# Altium PCB PCB_v3.PcbDoc (part 1 of 7)
Units mil, origin at the board's own origin, x right, y up, seen from the top; angles counter-clockwise.
Board outline 17000 x 5250 mil, 4 copper layers (Top Side, Ground Layer, Power Layer, Bottom Side), stack 33.2 mil thick; 591 components, 525 nets, 2570 pads, 902 vias.
Unrouted connection lines stored in the file: 119.
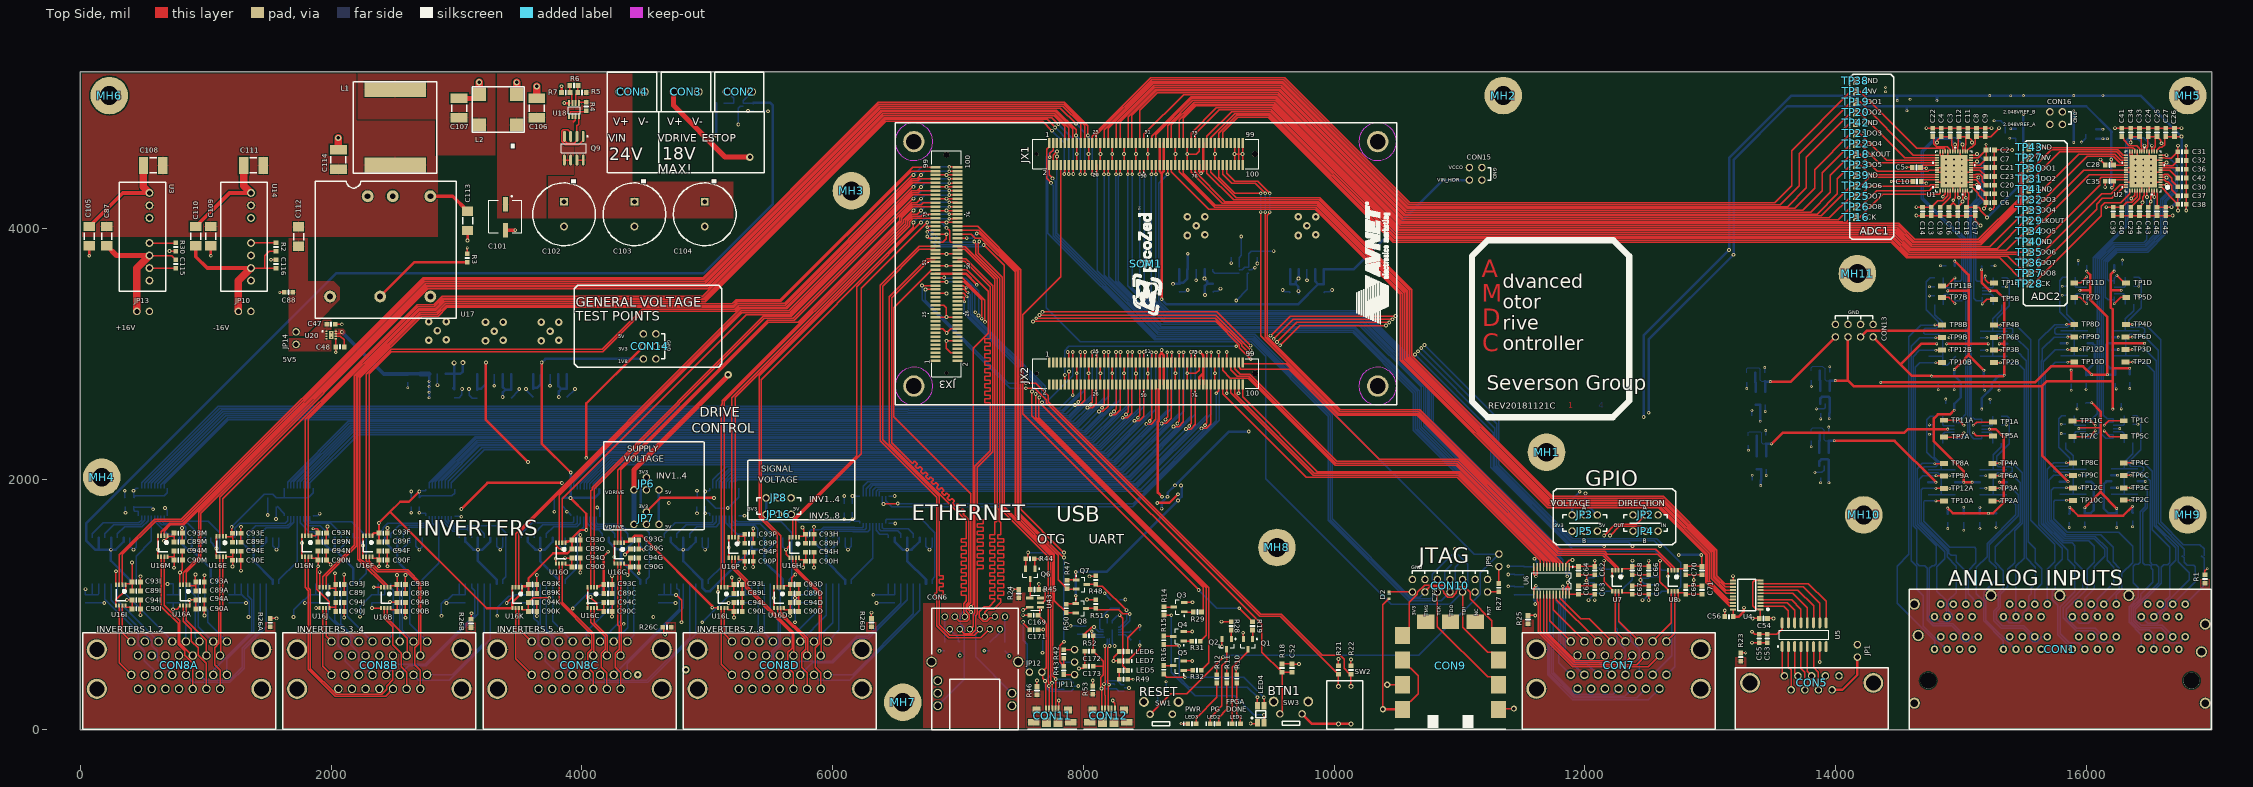
[diagram p0: Top Side view]
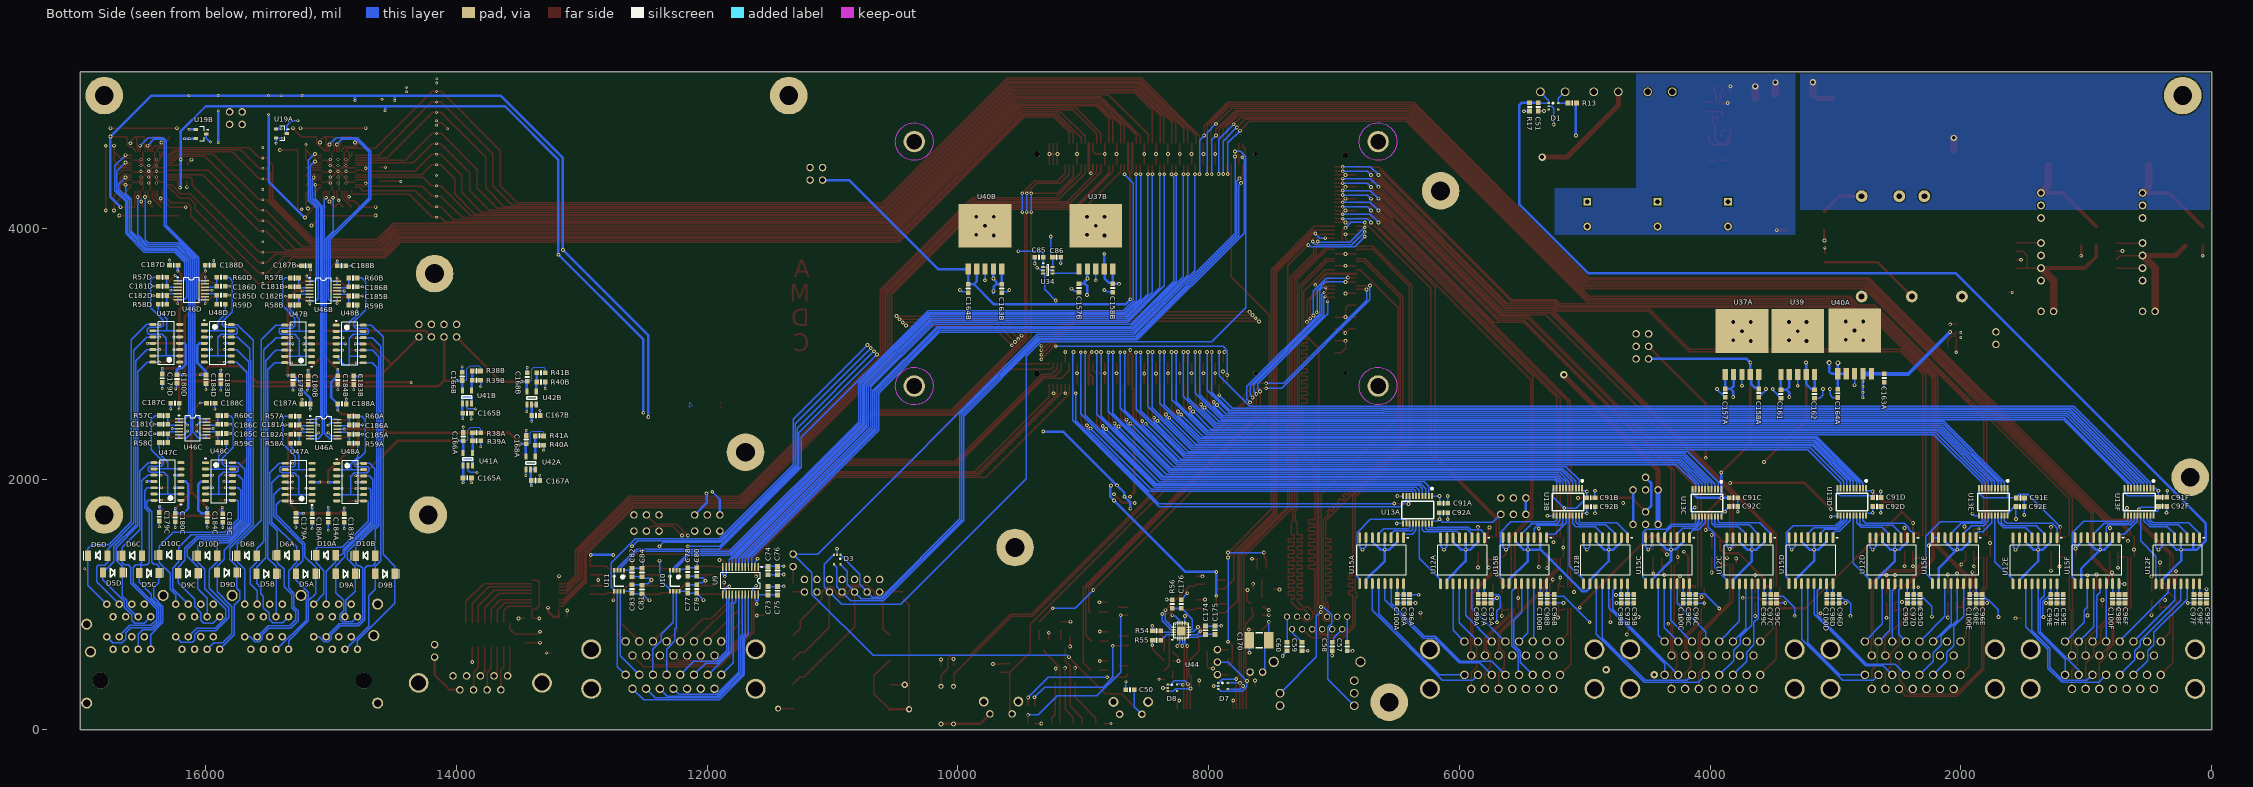
[diagram p1: Bottom Side view, seen from below]
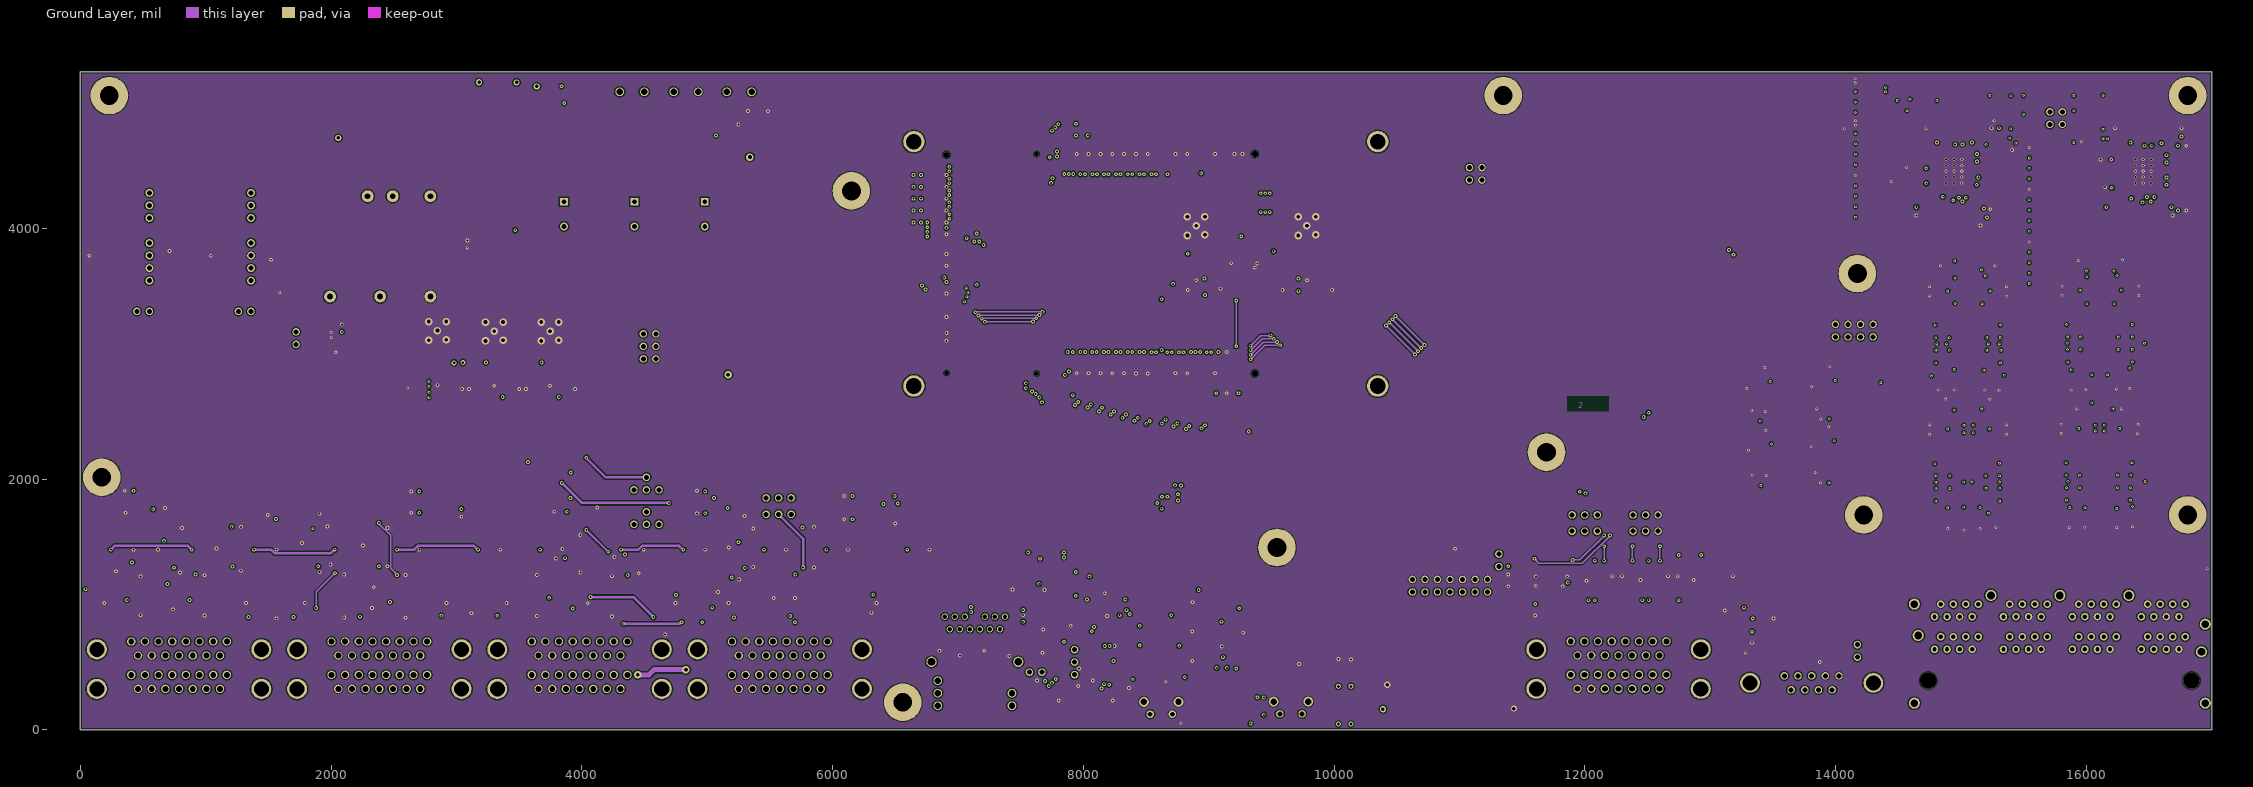
[diagram p2: Ground Layer]
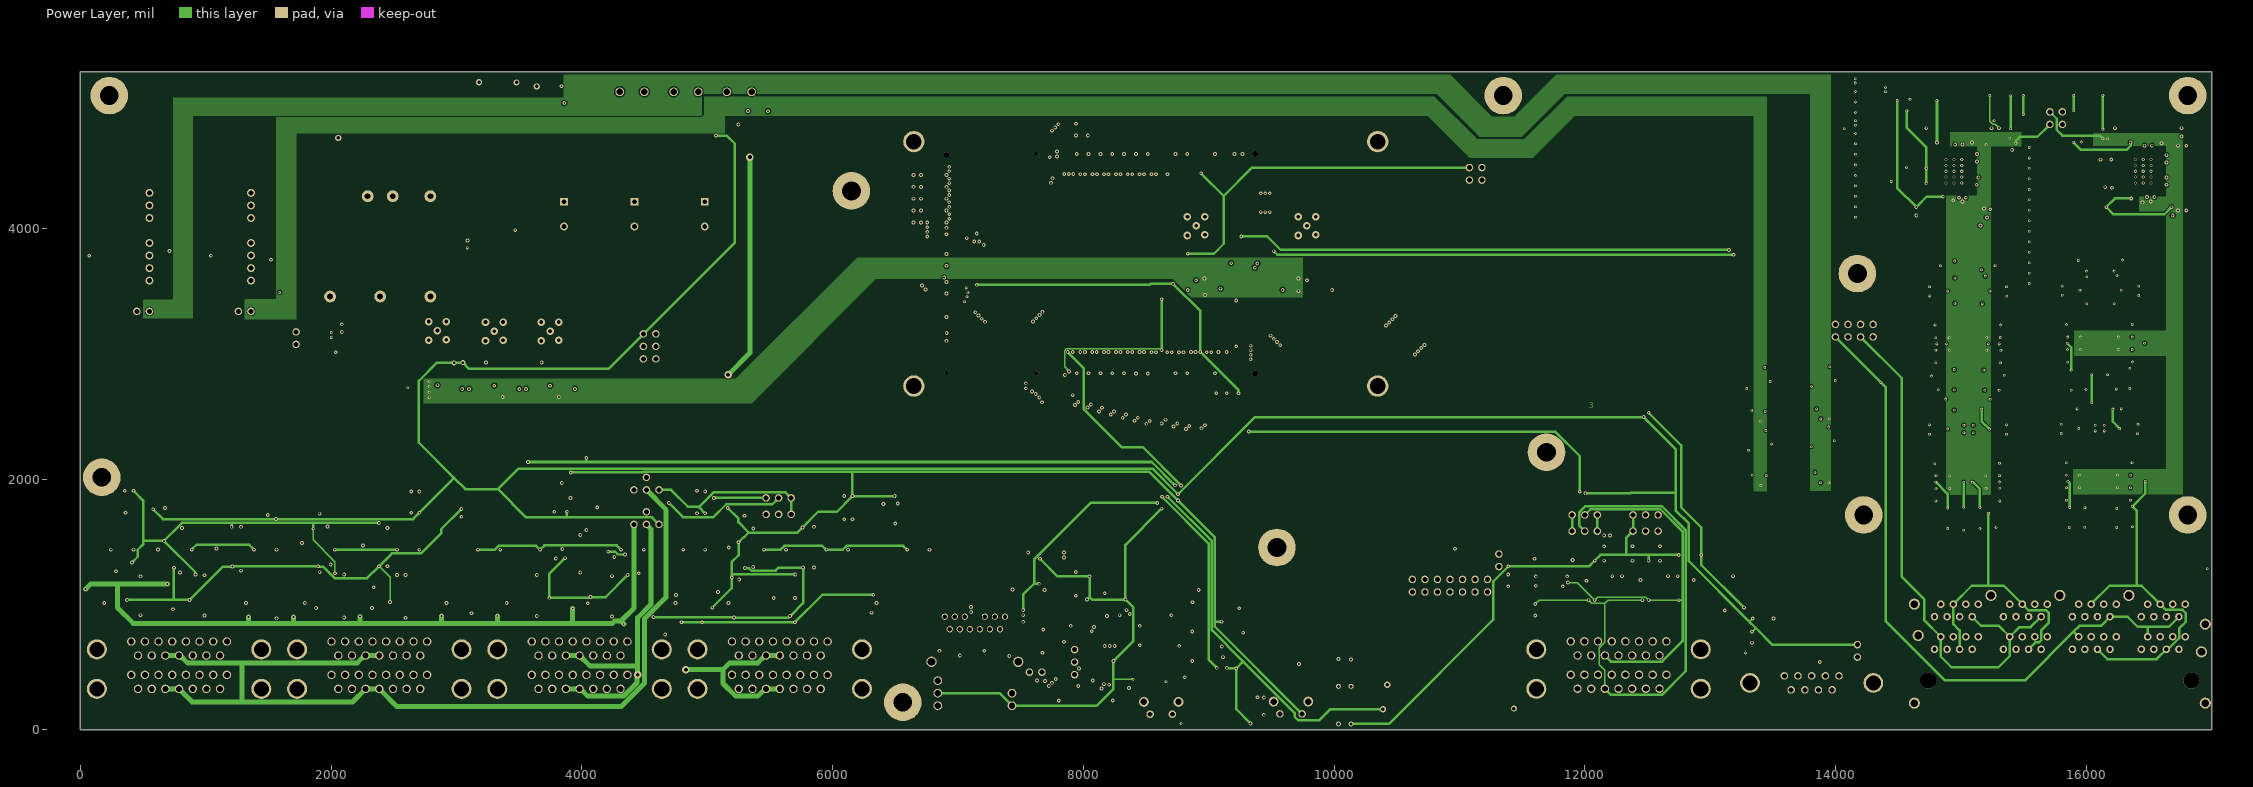
[diagram p3: Power Layer]

## Layer stack, top to bottom
Top Solder: solder mask 0.4, Solder Resist, Dk 3.5
Top Side: signal copper 1.4
Dielectric 1: core 12.6, FR-4, Dk 4.8
Ground Layer: signal copper 1.4
Dielectric 3: prepreg 5, Dk 4.2
Power Layer: signal copper 1.4
Dielectric 4: core 10, Dk 4.2
Bottom Side: signal copper 1.4
Bottom Solder: solder mask 0.4, Solder Resist, Dk 3.5

## Board outline
0,0 0,5250 17000,5250 17000,0

## Design rules (kind name [scope] priority, off if disabled: settings)
BoardOutlineClearance [All] p1: gap=15 ignorepadtopadclearanceinfootprint=FALSE
Clearance "Clearance Polygons" [InPolygon] p1: gap=10 ignorepadtopadclearanceinfootprint=FALSE except(0: Arc-Hole Track-Hole SMDPad-Hole THPad-Hole Via-Hole Fill-Hole Poly-Hole Region-Hole Text-Hole)
Clearance [All] p2: gap=5 ignorepadtopadclearanceinfootprint=FALSE
ComponentClearance "HM-TRP & UFL" [InComponent('X1') vs InComponent('U1')] p1: gap=0 collisioncheckmode=3 verticalgap=0 showdistances=FALSE
ComponentClearance [All] p2: gap=1 collisioncheckmode=3 verticalgap=1 showdistances=FALSE
DiffPairsRouting [All] p1: maxlimit=393.7 minlimit=5 mostfreqgap=8 toplayer_minwidth=5 toplayer_maxwidth=15 toplayer_prefwidth=8 midlayer1_minwidth=5 midlayer1_maxwidth=15 midlayer1_prefwidth=8 midlayer2_minwidth=5 midlayer2_maxwidth=15 midlayer2_prefwidth=8 bottomlayer_minwidth=5 bottomlayer_maxwidth=15 bottomlayer_prefwidth=8 maxuncoupledlength=500
Height [All] p1: minheight=0 maxheight=5000 prefheight=500
HoleSize [All] p1: absolutevalues=TRUE maxlimit=265 minlimit=11.81 maxpercent=80.000 minpercent=20.000
HoleToHoleClearance [All] p1: gap=10 allowstackedmicrovias=FALSE
MinimumAnnularRing [All] p1: minimumring=4
MinimumSolderMaskSliver [All] p1: minsoldermaskwidth=5
PlaneClearance [All] p1: clearance=10
PlaneConnect [All] p1: planeconnectstyle=Relief reliefexpansion=4 reliefentries=4 reliefconductorwidth=6 reliefairgap=6
PolygonConnect "Via connect style" [isVia] p1: connectstyle=Direct reliefconductorwidth=10 reliefentries=4 polygonreliefangle="90 Angle" airgapwidth=10
PolygonConnect [All] p2: connectstyle=Relief reliefconductorwidth=10 reliefentries=4 polygonreliefangle="90 Angle" airgapwidth=6
RoutingCorners [All] p1: cornerstyle=45-Degree minsetback=50 maxsetback=50
RoutingVias [All] p1: holewidth=12 width=22 viastyle="Through Hole" minholewidth=10 minwidth=18 maxholewidth=150 maxwidth=200
SilkToSilkClearance [All] p1: silktosilkclearance=0
SilkToSolderMaskClearance [IsPad] p1: minsilkscreentomaskgap=5 clearancetoexposedcopper=TRUE
SolderMaskExpansion [All] p1: expansion=2.5
UnRoutedNet [All] p1: checkbadconnections=TRUE
Width General [All] p1: maxlimit=100 minlimit=5 preferedwidth=10
Width GND [InNet('GND')] p2: maxlimit=40 minlimit=10 preferedwidth=20
Width Power [InNetClass('Power')] p3: maxlimit=40 minlimit=20 preferedwidth=30
Width 3V3 [InNetClass('3V3')] p4: maxlimit=40 minlimit=10 preferedwidth=20
18 further rules are at their usual default settings.

## Classes and differential pairs
channel class Power_REF_2V048: U_Power_REF_2V048_A U_Power_REF_2V048_B
channel class AnalogSigCond: AnalogSigCond_A AnalogSigCond_B AnalogSigCond_C AnalogSigCond_D
component class U_Power_REF_2V048_B: U19B
component class U_Power_REF_2V048_A: U19A
component class U_Power_InrushLimit: C47 C48
component class AnalogSigCond_B: C179B C180B C181B C182B C183B C184B C185B C186B C187B C188B D5B D6B D9B D10B R57B R58B R59B R60B TP1B TP2B TP3B TP4B TP5B TP6B TP7B TP8B TP9B TP10B TP11B TP12B U46B U47B U48B
component class AnalogSigCond_A: C179A C180A C181A C182A C183A C184A C185A C186A C187A C188A D5A D6A D9A D10A R57A R58A R59A R60A TP1A TP2A TP3A TP4A TP5A TP6A TP7A TP8A TP9A TP10A TP11A TP12A U46A U47A U48A
component class U_Power_Protection: C101 C102 C103 C104 C147 C148 C149 C150 Q9 R4 R5 R6 R7 R58 R59 R60 U18 U32
component class U_BackPage: MH1 MH2 MH3 MH4 MH5 MH6 MH7 MH8 MH9 MH10 MH11
channel class TranslationDir2Chan: U_TranslationDESAT1 U_TranslationDESAT2 U_TranslationDESAT3 U_TranslationDESAT4 U_TranslationRDY1 U_TranslationRDY2 U_TranslationRDY3 U_TranslationRDY4 U_TranslationRST1 U_TranslationRST2 U_TranslationRST3 U_TranslationRST4 U_TranslationTEMP1 U_TranslationTEMP2 U_TranslationTEMP3 U_TranslationTEMP4
component class U_TranslationDESAT4: C89D C90D C93D C94D C143D C144D C145D C146D U16D U31D
component class U_TranslationTEMP3: C89O C90O C93O C94O C143O C144O C145O C146O U16O U31O
component class U_TranslationTEMP2: C89N C90N C93N C94N C143N C144N C145N C146N U16N U31N
component class U_TranslationTEMP1: C89M C90M C93M C94M C143M C144M C145M C146M U16M U31M
component class U_TranslationTEMP4: C89P C90P C93P C94P C143P C144P C145P C146P U16P U31P
component class U_TranslationDESAT3: C89C C90C C93C C94C C143C C144C C145C C146C U16C U31C
component class U_TranslationRST2: C89J C90J C93J C94J C143J C144J C145J C146J U16J U31J
component class U_TranslationRST1: C89I C90I C93I C94I C143I C144I C145I C146I U16I U31I
component class U_TranslationRDY4: C89H C90H C93H C94H C143H C144H C145H C146H U16H U31H
component class U_TranslationRDY3: C89G C90G C93G C94G C143G C144G C145G C146G U16G U31G
component class U_TranslationRDY2: C89F C90F C93F C94F C143F C144F C145F C146F U16F U31F
component class U_TranslationRDY1: C89E C90E C93E C94E C143E C144E C145E C146E U16E U31E
component class U_TranslationRST4: C89L C90L C93L C94L C143L C144L C145L C146L U16L U31L
component class U_TranslationRST3: C89K C90K C93K C94K C143K C144K C145K C146K U16K U31K
component class U_TranslationDESAT2: C89B C90B C93B C94B C143B C144B C145B C146B U16B U31B
component class U_TranslationDESAT1: C89A C90A C93A C94A C143A C144A C145A C146A U16A U31A
channel class Power_LDO_15V: U_Power_LDO_15V_A U_Power_LDO_15V_B U_Power_LDO_15V_C U_Power_LDO_15V_D
channel class Power_LDO_5V: U_Power_LDO_5V U_Power_LDO_5V_VIN_HDR
channel class Power_LDO_1V8: U_Power_LDO_1V8 U_Power_LDO_1V8_VCCO
channel class LVHV8ChanTranslation: U_LVHV8ChanTranslation1 U_LVHV8ChanTranslation2 U_LVHV8ChanTranslation3 U_LVHV8ChanTranslation4 U_LVHV8ChanTranslation5 U_LVHV8ChanTranslation6
channel class InverterConnector: InverterConnector1AB InverterConnector2AB InverterConnector3AB InverterConnector4AB
component class U_USB_UART: C118 C119 C120 C121 C122 C172 C173 C174 C175 C176 CON12 D6 D8 LED5 LED6 LED7 Q7 Q8 R47 R48 R49 R50 R51 R52 R53 R54 R55 R56 U23 U44
component class U_USB_OTG: C92 C117 C169 C170 C171 CON11 D5 D7 JP11 JP12 JP15 Q6 R39 R40 R41 R42 R43 R44 R45 R46 U22 U43
component class U_Power: C85 C86 C87 C88 C89 C90 C91 C92 C93 C94 C95 C96 C97 C98 C99 C100 C105 C106 C107 C108 C109 C110 C111 C112 C113 C114 C115 C116 C147 C150 CON14 JP10 JP13 JP14 L1 L2 R2 R3 R30 U3 U12 U13 U14 U15 U17 U34
component class U_Power_LDO_15V_B: C111B C112B C113B C114B C165B C166B C167B C168B R35B R36B R37B R38B R39B R40B R41B U20B U21B U41B U42B
component class U_Power_LDO_15V_A: C111A C112A C113A C114A C165A C166A C167A C168A R35A R36A R37A R38A R39A R40A R41A U20A U21A U41A U42A
component class U_Power_LDO_5V: C109A C110A C163A C164A U40A
component class U_Power_LDO_5V_VIN_HDR: C109B C110B C163B C164B U40B
component class U_Power_LDO_3V3: C90 C91 C161 C162 U39
component class U_Power_LDO_1V8: C103A C104A C157A C158A U37A
component class U_Power_LDO_1V8_VCCO: C103B C104B C157B C158B U31B U37B
component class U_PicoZed: SOM1 T1
component class U_LVHV8ChanTranslation6: C91F C92F C95F C96F C97F C98F C99F C100F C135F C136F C137F C138F C139F C140F C141F C142F U12F U13F U15F U28F U29F U30F
component class U_LVHV8ChanTranslation5: C91E C92E C95E C96E C97E C98E C99E C100E C135E C136E C137E C138E C139E C140E C141E C142E U12E U13E U15E U28E U29E U30E
component class U_LVHV8ChanTranslation4: C91D C92D C95D C96D C97D C98D C99D C100D C135D C136D C137D C138D C139D C140D C141D C142D U12D U13D U15D U28D U29D U30D
component class U_LVHV8ChanTranslation3: C91C C92C C95C C96C C97C C98C C99C C100C C135C C136C C137C C138C C139C C140C C141C C142C U12C U13C U15C U28C U29C U30C
component class U_LVHV8ChanTranslation2: C91B C92B C95B C96B C97B C98B C99B C100B C135B C136B C137B C138B C139B C140B C141B C142B U12B U13B U15B U28B U29B U30B
component class U_LVHV8ChanTranslation1: C91A C92A C95A C96A C97A C98A C99A C100A C135A C136A C137A C138A C139A C140A C141A C142A U12A U13A U15A U28A U29A U30A
component class U_JTAG: CON9 CON10 D2 D3 JP9 R27
component class U_InverterTranslation: JP8 JP16
component class U_InverterConnectors: JP6 JP7
component class U_GPIO: C61 C62 C63 C64 C65 C66 C67 C68 C69 C70 C71 C72 C73 C74 C75 C76 C77 C78 C79 C80 C81 C82 C83 C84 C98 CON7 JP2 JP3 JP4 JP5 R25 U6 U7 U8 U9 U10 U11
component class U_Gb_Ethernet: C57 C58 C59 C60 CON6 R24
component class U_Encoder: C53 C54 C55 C56 CON5 JP1 R23 U4 U5
component class U_BoardIO: C50 C51 C52 CON2 CON3 CON4 D1 LED1 LED2 LED3 LED4 Q1 Q2 Q3 Q4 Q5 R10 R11 R12 R13 R14 R15 R16 R17 R18 R19 R21 R22 R26 R28 R29 R31 R32 SW1 SW2 SW3
component class U_AnalogConnectors: R1
component class U_AnalogADCs: C1 C2 C3 C4 C5 C6 C7 C8 C9 C10 C11 C12 C13 C14 C15 C16 C17 C18 C19 C20 C21 C22 C23 C24 C25 C26 C27 C28 C29 C30 C31 C32 C33 C34 C35 C36 C37 C38 C39 C40 C41 C42 C43 C44 C45 C46 TP14 TP16 TP18 TP19 TP20 TP21 TP22 TP23 TP24 TP25 TP26 TP27 TP28 TP29 TP30 TP31 TP32 TP33 TP34 TP35 TP36 TP37 TP38 TP39 TP40 TP41 TP42 TP43 U1 U2
component class InverterConnector4AB: CON8D R26D R30D
component class InverterConnector3AB: CON8C R26C R30C
component class InverterConnector2AB: CON8B R26B R30B
component class InverterConnector1AB: CON8A R26A R30A
component class AnalogSigCond_D: C125B C126B C127B C128B C129B C130B C131B C132B C133B C134B C179D C180D C181D C182D C183D C184D C185D C186D C187D C188D D5D D6D D7B D8B D9D D10D R54B R55B R56B R57D R58D R59D R60D TP1D TP2D TP3D TP4D TP5D TP6D TP7D TP8D TP9D TP10D TP11D TP12D TP14B U25B U26B U27B U46D U47D
component class AnalogSigCond_C: C125A C126A C127A C128A C129A C130A C131A C132A C133A C134A C179C C180C C181C C182C C183C C184C C185C C186C C187C C188C D5C D6C D7A D8A D9C D10C R54A R55A R56A R57C R58C R59C R60C TP1C TP2C TP3C TP4C TP5C TP6C TP7C TP8C TP9C TP10C TP11C TP12C TP14A U25A U26A U27A U46C U47C U48C
differential pair ANLG16: +ANLG_P14 -ANLG_N14
differential pair ANLG15: +ANLG_P13 -ANLG_N13
differential pair ANLG14: +ANLG_P15 -ANLG_N15
differential pair ANLG13: +ANLG_P11 -ANLG_N11
differential pair ANLG12: +ANLG_P9 -ANLG_N9
differential pair ANLG11: +ANLG_P10 -ANLG_N10
differential pair ANLG10: +ANLG_P16 -ANLG_N16
differential pair ANLG9: +ANLG_P12 -ANLG_N12
differential pair ANLG8: +ANLG_P4 -ANLG_N4
differential pair ANLG7: +ANLG_P5 -ANLG_N5
differential pair ANLG6: +ANLG_P1 -ANLG_N1
differential pair ANLG5: +ANLG_P8 -ANLG_N8
differential pair ANLG4: +ANLG_P7 -ANLG_N7
differential pair ANLG3: +ANLG_P2 -ANLG_N2
differential pair ANLG2: +ANLG_P3 -ANLG_N3
differential pair ANLG1: +ANLG_P6 -ANLG_N6
differential pair USB_UART_D: +USB_UART_D_P -USB_UART_D_N
differential pair USB_OTG: +USB_OTG_P -USB_OTG_N
differential pair ETH_MD4: +ETH_MD4_P -ETH_MD4_N
differential pair ETH_MD3: +ETH_MD3_P -ETH_MD3_N
differential pair ETH_MD2: +ETH_MD2_P -ETH_MD2_N
differential pair ETH_MD1: +ETH_MD1_P -ETH_MD1_N

## Components (designator, comment, footprint, x,y, rotation, side; value= is the part's Value field where it differs from the comment)
C1 "Capacitor" 0603-CAP 15235,4275.79 r0 top value=100pF
C2 "Capacitor" 0603-CAP 15235,4626.54 r0 top value=100nF
C3 "Capacitor" 0603-CAP 14915,4766.54 r90 top value=10uF
C4 "Capacitor" 0603-CAP 14845,4766.54 r90 top value=0.1uF
C5 "Capacitor" 0603-CAP 14645,4486.54 r180 top value=0.1uF
C6 "Capacitor" 0603-CAP 15235,4206.54 r0 top value=100pF
C7 "Capacitor" 0603-CAP 15235,4555 r0 top value=100nF
C8 "Capacitor" 0603-CAP 15125,4766.54 r90 top value=10uF
C9 "Capacitor" 0603-CAP 15195,4766.54 r90 top value=0.1uF
C10 "Capacitor" 0603-CAP 14651.99,4374.47 r180 top value=0.1uF
C11 "Capacitor" 0603-CAP 15055,4766.54 r90 top value=100pF
C12 "Capacitor" 0603-CAP 14985,4766.54 r90 top value=100nF
C13 "Capacitor" 0603-CAP 14765,4136.54 r270 top value=10uF
C14 "Capacitor" 0603-CAP 14695,4136.54 r270 top value=0.1uF
C15 "Capacitor" 0603-CAP 14975,4136.54 r270 top value=100pF
C16 "Capacitor" 0603-CAP 14905,4136.54 r270 top value=100nF
C17 "Capacitor" 0603-CAP 15115,4136.54 r270 top value=10uF
C18 "Capacitor" 0603-CAP 15045,4136.54 r270 top value=0.1uF
C19 "Capacitor" 0603-CAP 14835,4136.54 r270 top value=10uF
C20 "Capacitor" 0603-CAP 15235,4345 r0 top value=10uF
C21 "Capacitor" 0603-CAP 15235,4486.54 r0 top value=10uF
C22 "Capacitor" 0603-CAP 14775,4766.54 r90 top value=10uF
C23 "Capacitor" 0603-CAP 15235,4415 r0 top value=1uF
C24 "Capacitor" 0603-CAP 16495,4766.54 r90 top value=100pF
C25 "Capacitor" 0603-CAP 16565,4766.54 r90 top value=100nF
C26 "Capacitor" 0603-CAP 16705,4766.54 r90 top value=10uF
C27 "Capacitor" 0603-CAP 16635,4766.54 r90 top value=0.1uF
C28 "Capacitor" 0603-CAP 16185,4506.54 r180 top value=0.1uF
C29 "Capacitor" 0603-CAP 16355,4136.54 r270 top value=10uF
C30 "Capacitor" 0603-CAP 16765,4332.04 r0 top value=10uF
C31 "Capacitor" 0603-CAP 16765,4612.04 r0 top value=100pF
C32 "Capacitor" 0603-CAP 16765,4542.04 r0 top value=100nF
C33 "Capacitor" 0603-CAP 16425,4766.54 r90 top value=10uF
C34 "Capacitor" 0603-CAP 16355,4766.54 r90 top value=0.1uF
C35 "Capacitor" 0603-CAP 16185,4375.8 r180 top value=0.1uF
C36 "Capacitor" 0603-CAP 16765,4472.04 r0 top value=10uF
C37 "Capacitor" 0603-CAP 16765,4262.04 r0 top value=100pF
C38 "Capacitor" 0603-CAP 16765,4192.04 r0 top value=100nF
C39 "Capacitor" 0603-CAP 16215,4136.54 r270 top value=10uF
C40 "Capacitor" 0603-CAP 16285,4136.54 r270 top value=0.1uF
C41 "Capacitor" 0603-CAP 16285,4766.54 r90 top value=10uF
C42 "Capacitor" 0603-CAP 16765,4402.04 r0 top value=1uF
C43 "Capacitor" 0603-CAP 16495,4136.54 r270 top value=100pF
C44 "Capacitor" 0603-CAP 16425,4136.54 r270 top value=100nF
C45 "Capacitor" 0603-CAP 16635,4136.54 r270 top value=10uF
C46 "Capacitor" 0603-CAP 16565,4136.54 r270 top value=0.1uF
C47 "Capacitor" 0603-CAP 2000,3235 r180 top value=1uF
C48 "Capacitor" 0603-CAP 2070,3055 r0 top value=100pF
C50 "Capacitor" 0603-CAP 8627.05,320 r180 bottom value=100nF
C51 "Capacitor" 0603-CAP 5370,4970 r90 bottom value=100nF
C52 "Capacitor" 0603-CAP 9665,492.6 r270 top value=100nF
C53 "Capacitor" 0603-CAP 13456.54,729.18 r270 top value=1uF
C54 "Capacitor" 0603-CAP 13425,888.59 r0 top value=100nF
C55 "Capacitor" 0603-CAP 13391.54,729.18 r270 top value=100nF
C56 "Capacitor" 0603-CAP 13150.66,903.89 r180 top value=100nF
C57 "Capacitor" 0603-CAP 6895,665.43 r90 bottom value=0.1uF
C58 "Capacitor" 0603-CAP 7015,665.43 r90 bottom value=0.1uF
C59 "Capacitor" 0603-CAP 7255,665.43 r90 bottom value=0.1uF
C60 "Capacitor" 0603-CAP 7375,665.43 r90 bottom value=0.1uF
C61 "Capacitor" 0603-CAP 11950,1115 r90 top value=1uF
C62 "Capacitor" 0603-CAP 12080,1270 r270 top value=1uF
C63 "Capacitor" 0603-CAP 12080,1115 r90 top value=100nF
C64 "Capacitor" 0603-CAP 11950,1270 r270 top value=100nF
C65 "Capacitor" 0603-CAP 12510,1115 r90 top value=1uF
C66 "Capacitor" 0603-CAP 12510,1270 r270 top value=1uF
C67 "Capacitor" 0603-CAP 12380,1115 r90 top value=100nF
C68 "Capacitor" 0603-CAP 12380,1270 r270 top value=100nF
C69 "Capacitor" 0603-CAP 12805.59,1115 r90 top value=1uF
C70 "Capacitor" 0603-CAP 12805,1270 r270 top value=1uF
C71 "Capacitor" 0603-CAP 12935,1115 r90 top value=100nF
C72 "Capacitor" 0603-CAP 12935,1270 r270 top value=100nF
C73 "Capacitor" 0603-CAP 11515,1110 r90 bottom value=1uF
C74 "Capacitor" 0603-CAP 11515,1270 r270 bottom value=1uF
C75 "Capacitor" 0603-CAP 11440,1110 r90 bottom value=100nF
C76 "Capacitor" 0603-CAP 11440,1270 r270 bottom value=100nF
C77 "Capacitor" 0603-CAP 12155,1125 r90 bottom value=1uF
C78 "Capacitor" 0603-CAP 12155,1260 r270 bottom value=1uF
C79 "Capacitor" 0603-CAP 12085,1125 r90 bottom value=100nF
C80 "Capacitor" 0603-CAP 12085,1260 r270 bottom value=100nF
C81 "Capacitor" 0603-CAP 12520,1120 r90 bottom value=1uF
C82 "Capacitor" 0603-CAP 12600,1255 r270 bottom value=1uF
C83 "Capacitor" 0603-CAP 12600,1125 r90 bottom value=100nF